# Altium PCB PCB.PcbDoc (continued)
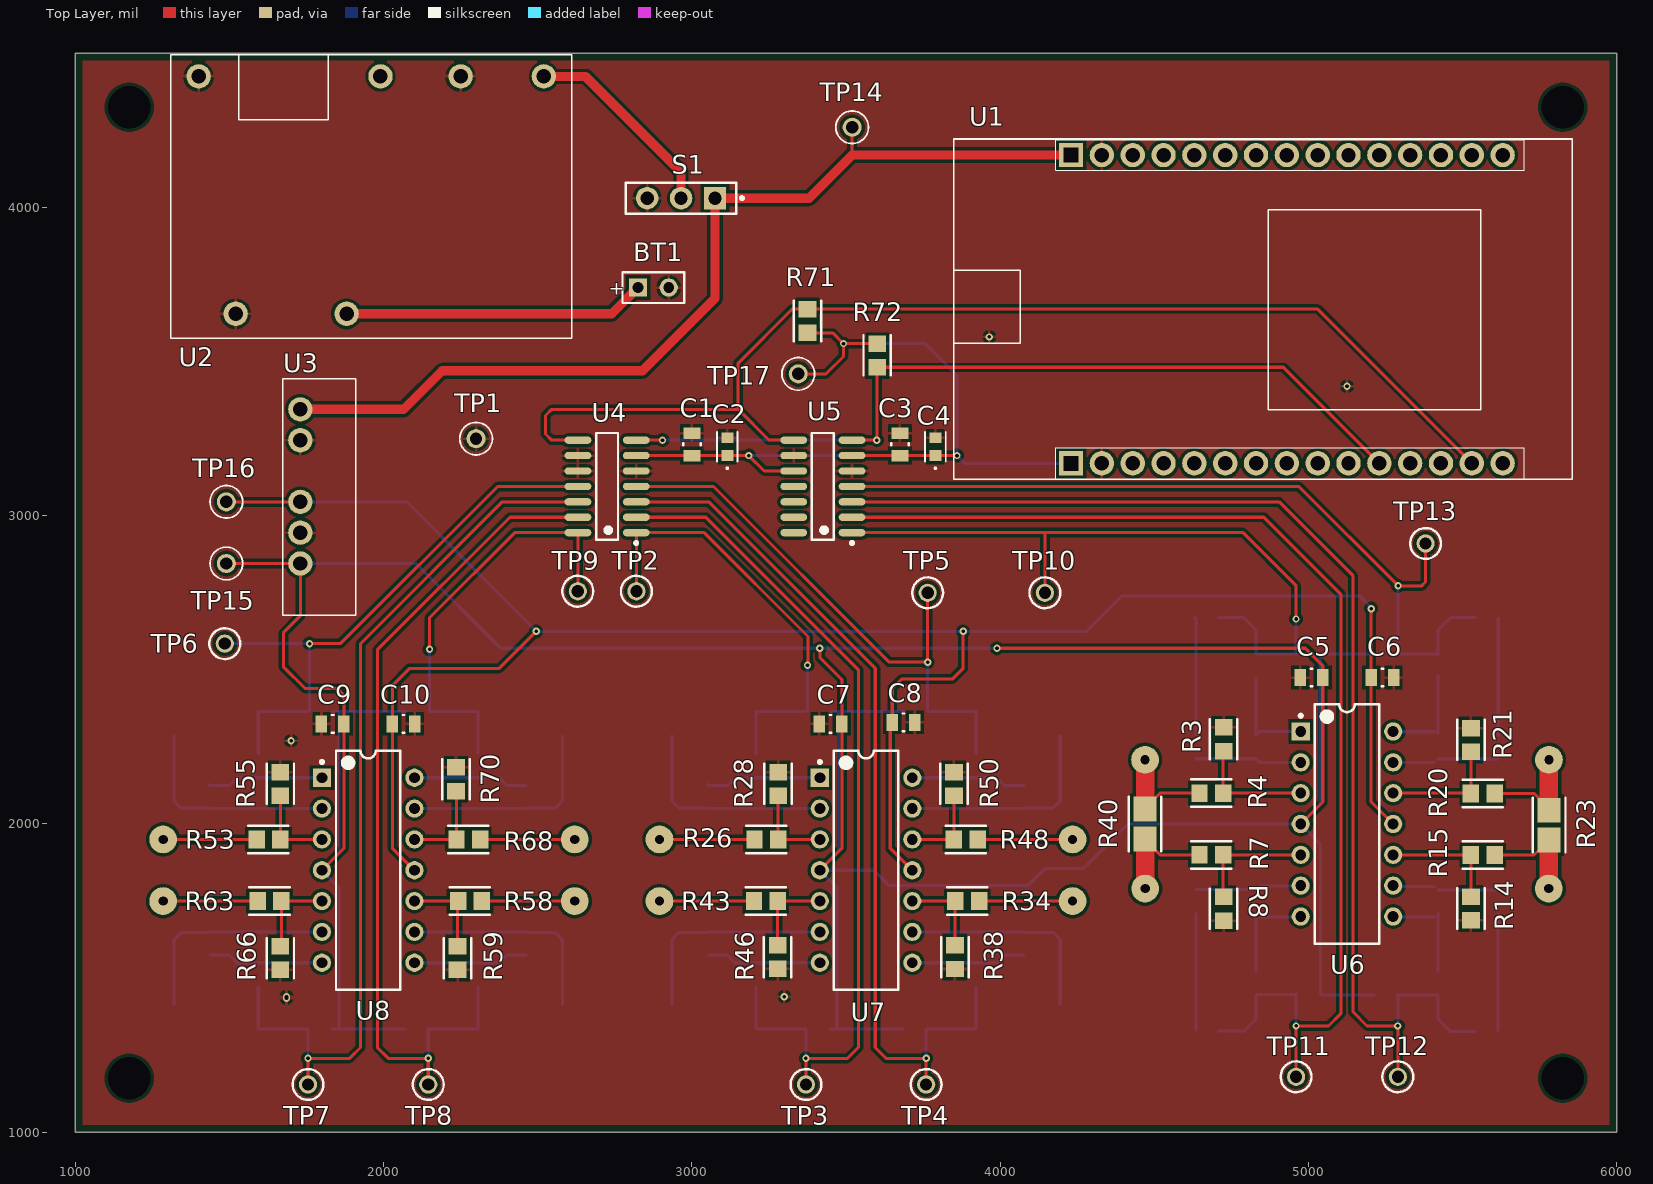
[diagram p0: Top Layer view]
## Part data (continued)
  R32: ComponentLink2Description=https://www.seielect.com/catalog/sei-rmcf_rmcp.pdf?src-supplier=Digikey, ComponentLink2URL=https://www.seielect.com/catalog/sei-rmcf_rmcp.pdf?src-supplier=Digikey, ComponentLink4Description=https://datasheet.octopart.com/RMCF0805FT8K45-Stackpole-Electronics-datasheet-141193804.pdf?src-supplier=Future+Electronics, ComponentLink4URL=https://datasheet.octopart.com/RMCF0805FT8K45-Stackpole-Electronics-datasheet-141193804.pdf?src-supplier=Future+Electronics
R23 R40: library part Res1, "Fixed Resistor, Metal Glaze/thick Film, 1W, 0.05ohm, 1% +/-Tol, 75ppm/Cel, Surface Mount, 1206", Case/Package=1206, Manufacturer=Panasonic, Manufacturer Part Number=ERJ-8CWFR050V, Manufacturer Series=ERJ8CW, Max Operating Temperature=125°C, Min Operating Temperature=-55°C, Package Shape=Rectangular, Power=1W, Rated Temperature=70°C, Resistor Type="FIXED RESISTOR", Supplier Part Number 1=667-ERJ-8CWFR050V, Temperature Coefficient (ppm/Cel)=75, Tolerance=1%, Category="Chip SMD Resistors", ComponentLink1Description=https://datasheet.ciiva.com:443/pdfs/VipMasterIC/IC/OMIT/OMIT-S-A0004284475/OMIT-S-A0004284475-1.pdf?src-supplier=IHS+Markit, ComponentLink1URL=https://datasheet.ciiva.com:443/pdfs/VipMasterIC/IC/OMIT/OMIT-S-A0004284475/OMIT-S-A0004284475-1.pdf?src-supplier=IHS+Markit, ComponentLink2Description=https://datasheet.ciiva.com/11805/0900766b8003123a-11805433.pdf?src-supplier=Rs, ComponentLink2URL=https://datasheet.ciiva.com/11805/0900766b8003123a-11805433.pdf?src-supplier=Rs, ComponentLink3Description=https://datasheet.ciiva.com:443/pdfs/VipMasterIC/IC/PANA/PANA-S-A0002276294/PANA-S-A0002276294-1.pdf?src-supplier=IHS+Markit, ComponentLink3URL=https://datasheet.ciiva.com:443/pdfs/VipMasterIC/IC/PANA/PANA-S-A0002276294/PANA-S-A0002276294-1.pdf?src-supplier=IHS+Markit, ComponentLink4Description=https://datasheet.ciiva.com/25631/0900766b81107548-25631070.pdf?src-supplier=Rs, ComponentLink4URL=https://datasheet.ciiva.com/25631/0900766b81107548-25631070.pdf?src-supplier=Rs, JESD-609 Code=e3, Mounting Technology="Surface Mount", Packaging="Tape and Reel", Pins=2, Pricing 1="1=0.42, 10=0.185, 50=0.185, 100=0.131, 1000=0.119, 5000=0.098, 10000=0.088, 25000=0.083, 50000=0.08 (USD)", Reach SVHC Compliant=Yes, Reference Standard=AEC-Q200, RoHS=Yes, RoHS Compliant=Yes, Stock 1=53345, Supplier 1=Mouser, Technology="METAL GLAZE/THICK FILM", Terminal Finish=Tin, Termination=Wraparound
R24 R27 R41 R44 R51 R54 R61 R64 R71 R72: library part Res1, "Fixed Resistor, Metal Glaze/thick Film, 0.125W, 5110ohm, 150V, 1% +/-Tol, 100ppm/Cel, Surface Mount, 0805", Case/Package=0805, Manufacturer="Stackpole Electronics", Manufacturer Part Number=RMCF0805FT5K11, Max Operating Temperature=155°C, Min Operating Temperature=-55°C, Package Height=0.5mm, Package Length=2mm, Package Shape=Rectangular, Package Width=1.25mm, Power=125mW, Rated Temperature=70°C, Resistor Type="FIXED RESISTOR", Temperature Coefficient (ppm/Cel)=100, Tolerance=1%, Working Voltage=150V, Category="Chip SMD Resistors", ComponentLink1Description=https://datasheet.ciiva.com:443/pdfs/VipMasterIC/IC/SEIE/SEIE-S-A0009541969/SEIE-S-A0009541969-1.pdf?src-supplier=IHS+Markit, ComponentLink1URL=https://datasheet.ciiva.com:443/pdfs/VipMasterIC/IC/SEIE/SEIE-S-A0009541969/SEIE-S-A0009541969-1.pdf?src-supplier=IHS+Markit, ComponentLink2Description=https://datasheet.ciiva.com/15193/getdatasheetpartid-409010-15193607.pdf?src-supplier=Verical, ComponentLink2URL=https://datasheet.ciiva.com/15193/getdatasheetpartid-409010-15193607.pdf?src-supplier=Verical, Construction=Rectangular, JESD-609 Code=e3, LatestRevisionDate=17-Jul-2002, LatestRevisionNote="Re-released for DXP Platform.", Mounting Technology="Surface Mount", PackageDescription="Axial Device, Thru-Hole; 2 Leads; 0.3 in Pin Spacing", PackageReference=AXIAL-0.3, Packaging="Tape and Reel", Pins=2, Pricing 1="5000=0.00252, 10000=0.00248, 20000=0.00245, 30000=0.00241, 40000=0.00238 (USD)", Published=8-Jun-2000, Publisher="Altium Limited", Reach SVHC Compliant=Yes, Reference Standard=AEC-Q200, RoHS=Yes, RoHS Compliant=Yes, Supplier 1=Avnet, Supplier Part Number 1=RMCF0805FT5K11, Technology="METAL GLAZE/THICK FILM", Terminal Finish=Nickel, Termination=Wraparound
  R24 R27 R41 R44 R51 R54 R61 R64: Stock 1=240000
  R71 R72: Stock 1=255000
R25 R33 R42 R47 R52 R57 R62 R67: library part Res1, "Fixed Resistor, Metal Glaze/thick Film, 0.125W, 5490ohm, 150V, 1% +/-Tol, 100ppm/Cel, Surface Mount, 0805", Case/Package=0805, Manufacturer="Stackpole Electronics", Manufacturer Part Number=RMCF0805FT5K49, Max Operating Temperature=155°C, Min Operating Temperature=-55°C, Package Height=0.5mm, Package Length=2mm, Package Shape=Rectangular, Package Width=1.25mm, Power=125mW, Rated Temperature=70°C, Resistor Type="FIXED RESISTOR", Temperature Coefficient (ppm/Cel)=100, Tolerance=1%, Working Voltage=150V, Category="Chip SMD Resistors", ComponentLink1Description=https://datasheet.ciiva.com:443/pdfs/VipMasterIC/IC/SEIE/SEIE-S-A0009541969/SEIE-S-A0009541969-1.pdf?src-supplier=IHS+Markit, ComponentLink1URL=https://datasheet.ciiva.com:443/pdfs/VipMasterIC/IC/SEIE/SEIE-S-A0009541969/SEIE-S-A0009541969-1.pdf?src-supplier=IHS+Markit, ComponentLink2Description=https://www.seielect.com/catalog/sei-rmcf_rmcp.pdf?src-supplier=Digikey, ComponentLink2URL=https://www.seielect.com/catalog/sei-rmcf_rmcp.pdf?src-supplier=Digikey, ComponentLink3Description=https://www.seielect.com/catalog/SEI-RMCF_RMCP.pdf?src-supplier=Avnet, ComponentLink3URL=https://www.seielect.com/catalog/SEI-RMCF_RMCP.pdf?src-supplier=Avnet, Construction=Rectangular, JESD-609 Code=e3, LatestRevisionDate=17-Jul-2002, LatestRevisionNote="Re-released for DXP Platform.", Mounting Technology="Surface Mount", PackageDescription="Axial Device, Thru-Hole; 2 Leads; 0.3 in Pin Spacing", PackageReference=AXIAL-0.3, Packaging="Tape and Reel", Pins=2, Pricing 1="5000=0.00252, 10000=0.00248, 20000=0.00245, 30000=0.00241, 40000=0.00238 (USD)", Published=8-Jun-2000, Publisher="Altium Limited", Reach SVHC Compliant=Yes, Reference Standard=AEC-Q200, RoHS=Yes, RoHS Compliant=Yes, Stock 1=50000, Supplier 1=Avnet, Supplier Part Number 1=RMCF0805FT5K49, Technology="METAL GLAZE/THICK FILM", Terminal Finish=Nickel, Termination=Wraparound
R29 R39 R45 R49 R56 R60 R65 R69: library part Res1, "Fixed Resistor, Metal Glaze/thick Film, 0.125W, 1910ohm, 150V, 1% +/-Tol, 100ppm/Cel, Surface Mount, 0805", Case/Package=0805, Manufacturer="Stackpole Electronics", Manufacturer Part Number=RMCF0805FT1K91, Max Operating Temperature=155°C, Min Operating Temperature=-55°C, Package Height=0.5mm, Package Length=2mm, Package Shape=Rectangular, Package Width=1.25mm, Power=125mW, Rated Temperature=70°C, Resistor Type="FIXED RESISTOR", Temperature Coefficient (ppm/Cel)=100, Tolerance=1%, Working Voltage=150V, Category="Chip SMD Resistors", ComponentLink1Description=https://datasheet.ciiva.com:443/pdfs/VipMasterIC/IC/SEIE/SEIE-S-A0009541969/SEIE-S-A0009541969-1.pdf?src-supplier=IHS+Markit, ComponentLink1URL=https://datasheet.ciiva.com:443/pdfs/VipMasterIC/IC/SEIE/SEIE-S-A0009541969/SEIE-S-A0009541969-1.pdf?src-supplier=IHS+Markit, ComponentLink2Description=https://www.seielect.com/catalog/sei-rmcf_rmcp.pdf?src-supplier=Digikey, ComponentLink2URL=https://www.seielect.com/catalog/sei-rmcf_rmcp.pdf?src-supplier=Digikey, ComponentLink3Description=https://www.seielect.com/catalog/SEI-Packaging.pdf?src-supplier=Digikey, ComponentLink3URL=https://www.seielect.com/catalog/SEI-Packaging.pdf?src-supplier=Digikey, ComponentLink4Description=http://www.seielect.com/Catalog/SEI-RMCF_RMCP.pdf?src-supplier=Digikey, ComponentLink4URL=http://www.seielect.com/Catalog/SEI-RMCF_RMCP.pdf?src-supplier=Digikey, ComponentLink5Description=https://www.seielect.com/catalog/SEI-RMCF_RMCP.pdf?src-supplier=Avnet, ComponentLink5URL=https://www.seielect.com/catalog/SEI-RMCF_RMCP.pdf?src-supplier=Avnet, Construction=Rectangular, JESD-609 Code=e3, LatestRevisionDate=17-Jul-2002, LatestRevisionNote="Re-released for DXP Platform.", Mounting Technology="Surface Mount", PackageDescription="Axial Device, Thru-Hole; 2 Leads; 0.3 in Pin Spacing", PackageReference=AXIAL-0.3, Packaging="Tape and Reel", Pins=2, Pricing 1="5000=0.00252, 10000=0.00248, 20000=0.00245, 30000=0.00241, 40000=0.00238 (USD)", Published=8-Jun-2000, Publisher="Altium Limited", Reach SVHC Compliant=Yes, Reference Standard=AEC-Q200, RoHS=Yes, RoHS Compliant=Yes, Stock 1=175000, Supplier 1=Avnet, Supplier Part Number 1=RMCF0805FT1K91, Technology="METAL GLAZE/THICK FILM", Terminal Finish=Nickel, Termination=Wraparound
R73 R76 R77 R80 R81 R84 R85 R88: library part Res1, "Fixed Resistor, Metal Glaze/thick Film, 0.125W, 18200ohm, 150V, 1% +/-Tol, 100ppm/Cel, Surface Mount, 0805", Case/Package=0805, Manufacturer="Stackpole Electronics", Manufacturer Part Number=RMCF0805FT18K2, Max Operating Temperature=155°C, Min Operating Temperature=-55°C, Package Height=0.5mm, Package Length=2mm, Package Shape=Rectangular, Package Width=1.25mm, Power=125mW, Rated Temperature=70°C, Resistor Type="FIXED RESISTOR", Temperature Coefficient (ppm/Cel)=100, Tolerance=1%, Working Voltage=150V, Category="Chip SMD Resistors", ComponentLink1Description=https://datasheet.ciiva.com:443/pdfs/VipMasterIC/IC/SEIE/SEIE-S-A0009541969/SEIE-S-A0009541969-1.pdf?src-supplier=IHS+Markit, ComponentLink1URL=https://datasheet.ciiva.com:443/pdfs/VipMasterIC/IC/SEIE/SEIE-S-A0009541969/SEIE-S-A0009541969-1.pdf?src-supplier=IHS+Markit, ComponentLink2Description=http://components.arrow.com/part/dataview/40964083S7077184N1174?src-supplier=Arrow+Electronics, ComponentLink2URL=http://components.arrow.com/part/dataview/40964083S7077184N1174?src-supplier=Arrow+Electronics, ComponentLink3Description=https://www.seielect.com/catalog/SEI-RMCF_RMCP.pdf?src-supplier=Avnet, ComponentLink3URL=https://www.seielect.com/catalog/SEI-RMCF_RMCP.pdf?src-supplier=Avnet, ComponentLink4Description=https://www.seielect.com/catalog/sei-rmcf_rmcp.pdf?src-supplier=Digikey, ComponentLink4URL=https://www.seielect.com/catalog/sei-rmcf_rmcp.pdf?src-supplier=Digikey, Construction=Rectangular, JESD-609 Code=e3, LatestRevisionDate=17-Jul-2002, LatestRevisionNote="Re-released for DXP Platform.", Mounting Technology="Surface Mount", PackageDescription="Axial Device, Thru-Hole; 2 Leads; 0.3 in Pin Spacing", PackageReference=AXIAL-0.3, Packaging="Tape and Reel", Pins=2, Pricing 1="5000=0.00252, 10000=0.00248, 20000=0.00245, 30000=0.00241, 40000=0.00238 (USD)", Published=8-Jun-2000, Publisher="Altium Limited", Reach SVHC Compliant=Yes, Reference Standard=AEC-Q200, RoHS=Yes, RoHS Compliant=Yes, Stock 1=90000, Supplier 1=Avnet, Supplier Part Number 1=RMCF0805FT18K2, Technology="METAL GLAZE/THICK FILM", Terminal Finish=Nickel, Termination=Wraparound
R74 R75 R78 R79 R82 R83 R86 R87: library part Res1, "Fixed Resistor, Metal Glaze/thick Film, 0.125W, 7150ohm, 150V, 1% +/-Tol, 100ppm/Cel, Surface Mount, 0805", Case/Package=0805, Manufacturer="Stackpole Electronics", Manufacturer Part Number=RMCF0805FT7K15, Max Operating Temperature=155°C, Min Operating Temperature=-55°C, Package Height=0.5mm, Package Length=2mm, Package Shape=Rectangular, Package Width=1.25mm, Power=125mW, Rated Temperature=70°C, Resistor Type="FIXED RESISTOR", Temperature Coefficient (ppm/Cel)=100, Tolerance=1%, Working Voltage=150V, Category="Chip SMD Resistors", ComponentLink1Description=https://datasheet.ciiva.com:443/pdfs/VipMasterIC/IC/SEIE/SEIE-S-A0009541969/SEIE-S-A0009541969-1.pdf?src-supplier=IHS+Markit, ComponentLink1URL=https://datasheet.ciiva.com:443/pdfs/VipMasterIC/IC/SEIE/SEIE-S-A0009541969/SEIE-S-A0009541969-1.pdf?src-supplier=IHS+Markit, ComponentLink2Description=http://components.arrow.com/part/dataview/44987969S7384101N1174?src-supplier=Arrow+Electronics, ComponentLink2URL=http://components.arrow.com/part/dataview/44987969S7384101N1174?src-supplier=Arrow+Electronics, ComponentLink3Description=https://www.seielect.com/catalog/sei-rmcf_rmcp.pdf?src-supplier=Digikey, ComponentLink3URL=https://www.seielect.com/catalog/sei-rmcf_rmcp.pdf?src-supplier=Digikey, ComponentLink4Description=https://www.seielect.com/catalog/SEI-Packaging.pdf?src-supplier=Digikey, ComponentLink4URL=https://www.seielect.com/catalog/SEI-Packaging.pdf?src-supplier=Digikey, ComponentLink5Description=https://www.seielect.com/catalog/SEI-RMCF_RMCP.pdf?src-supplier=Avnet, ComponentLink5URL=https://www.seielect.com/catalog/SEI-RMCF_RMCP.pdf?src-supplier=Avnet, Construction=Rectangular, JESD-609 Code=e3, LatestRevisionDate=17-Jul-2002, LatestRevisionNote="Re-released for DXP Platform.", Mounting Technology="Surface Mount", PackageDescription="Axial Device, Thru-Hole; 2 Leads; 0.3 in Pin Spacing", PackageReference=AXIAL-0.3, Packaging="Tape and Reel", Pins=2, Pricing 1="5000=0.00252, 10000=0.00248, 20000=0.00245, 30000=0.00241, 40000=0.00238 (USD)", Published=8-Jun-2000, Publisher="Altium Limited", Reach SVHC Compliant=Yes, Reference Standard=AEC-Q200, RoHS=Yes, RoHS Compliant=Yes, Stock 1=65000, Supplier 1=Avnet, Supplier Part Number 1=RMCF0805FT7K15, Technology="METAL GLAZE/THICK FILM", Terminal Finish=Nickel, Termination=Wraparound
S1: library part SW, "Single-Pole, Single-Throw Rocket LED Switch", Manufacturer=Amazon(Nilight), Manufacturer Part Number=B07T1JG6BD
TP1: library part TP, "Black Test Point", Color=Black, Manufacturer=Keystone, Manufacturer P/N=5001, Supplier Part Number 1=534-5001, Category=Connectors, ComponentLink1Description=https://datasheet.ciiva.com:443/pdfs/VipMasterIC/IC/KEYC/KEYCS01036/KEYCS02044-1.pdf?src-supplier=IHS+Markit, ComponentLink1URL=https://datasheet.ciiva.com:443/pdfs/VipMasterIC/IC/KEYC/KEYCS01036/KEYCS02044-1.pdf?src-supplier=IHS+Markit, ComponentLink2Description=https://datasheet.ciiva.com/11836/0900766b8009b7c7-11836045.pdf?src-supplier=Rs, ComponentLink2URL=https://datasheet.ciiva.com/11836/0900766b8009b7c7-11836045.pdf?src-supplier=Rs, ComponentLink3Description=https://datasheet.ciiva.com/27052/1581986-27052611.pdf?src-supplier=Jameco, ComponentLink3URL=https://datasheet.ciiva.com/27052/1581986-27052611.pdf?src-supplier=Jameco, ComponentLink4Description=https://datasheet.ciiva.com/22631/1703983-22631100.pdf?src-supplier=Element14, ComponentLink4URL=https://datasheet.ciiva.com/22631/1703983-22631100.pdf?src-supplier=Element14, ComponentLink5Description=https://datasheet.ciiva.com/16318/m60-2p60-16318423.pdf?src-supplier=Future+Electronics, ComponentLink5URL=https://datasheet.ciiva.com/16318/m60-2p60-16318423.pdf?src-supplier=Future+Electronics, Connector Type="Interconnection Device", Contact Finish - Termination="Silver (Ag)", JESD-609 Code=e4, Manufacturer Part Number=5001, Pricing 1="1=0.29, 10=0.29, 25=0.262, 50=0.262, 100=0.222, 500=0.184, 1000=0.173, 2500=0.154, 5000=0.143, 10000=0.143 (USD)", Reach SVHC Compliant=Yes, RoHS=Yes, RoHS Compliant=Yes, Stock 1=345950, Supplier 1=Mouser
TP2 TP3 TP4 TP5 TP6 TP7 TP8 TP9 TP10 TP11 TP12 TP13: library part TP, "Orange Test Point", Color=Orange, Manufacturer=Keystone, Manufacturer P/N=5013, Manufacturer Part Number=5003, Supplier Part Number 1=534-5003, Category=Connectors, ComponentLink1Description=https://datasheet.ciiva.com:443/pdfs/VipMasterIC/IC/KEYC/KEYCS01036/KEYCS02044-1.pdf?src-supplier=IHS+Markit, ComponentLink1URL=https://datasheet.ciiva.com:443/pdfs/VipMasterIC/IC/KEYC/KEYCS01036/KEYCS02044-1.pdf?src-supplier=IHS+Markit, ComponentLink2Description=https://datasheet.ciiva.com/22631/1703983-22631103.pdf?src-supplier=Element14, ComponentLink2URL=https://datasheet.ciiva.com/22631/1703983-22631103.pdf?src-supplier=Element14, ComponentLink3Description=https://datasheet.ciiva.com/4598/5000-5004-4598618.pdf?src-supplier=Mouser, ComponentLink3URL=https://datasheet.ciiva.com/4598/5000-5004-4598618.pdf?src-supplier=Mouser, ComponentLink4Description=https://datasheet.ciiva.com/16885/70182825-16885788.pdf?src-supplier=Allied+Electronics, ComponentLink4URL=https://datasheet.ciiva.com/16885/70182825-16885788.pdf?src-supplier=Allied+Electronics, ComponentLink5Description=https://datasheet.ciiva.com/1454/1703983-1454826.pdf?src-supplier=Element14, ComponentLink5URL=https://datasheet.ciiva.com/1454/1703983-1454826.pdf?src-supplier=Element14, Connector Type="Interconnection Device", Contact Finish - Termination="Silver (Ag)", JESD-609 Code=e4, Pricing 1="1=0.29, 10=0.29, 50=0.262, 100=0.222, 1000=0.173, 10000=0.143 (USD)", Reach SVHC Compliant=Yes, RoHS=Yes, RoHS Compliant=Yes, Stock 1=79700, Supplier 1=Mouser
TP14 TP15 TP16 TP17: library part TP, "Red Test Point", Color=Red, Manufacturer=Keystone, Manufacturer Part Number=5000, Supplier Part Number 1=534-5000, Category=Connectors, ComponentLink1Description=https://datasheet.ciiva.com:443/pdfs/VipMasterIC/IC/KEYC/KEYCS01036/KEYCS02044-1.pdf?src-supplier=IHS+Markit, ComponentLink1URL=https://datasheet.ciiva.com:443/pdfs/VipMasterIC/IC/KEYC/KEYCS01036/KEYCS02044-1.pdf?src-supplier=IHS+Markit, ComponentLink2Description=https://datasheet.ciiva.com/11836/0900766b8009b7c7-11836046.pdf?src-supplier=Rs, ComponentLink2URL=https://datasheet.ciiva.com/11836/0900766b8009b7c7-11836046.pdf?src-supplier=Rs, Connector Type="Interconnection Device", Contact Finish - Termination="Silver (Ag)", JESD-609 Code=e4, Pricing 1="1=0.29, 10=0.29, 50=0.262, 100=0.222, 1000=0.173, 10000=0.143 (USD)", Reach SVHC Compliant=Yes, RoHS=Yes, RoHS Compliant=Yes, Stock 1=320297, Supplier 1=Mouser
U1: "ESP-WROOM-32 ESP32 ESP-32S Development Board 2.4GHz Dual-Mode WiFi + Bluetooth Dual Cores Microcontroller Processor Integrated with Antenna RF AMP Filter AP STA", Manufacturer=Amazon(AITRIP), Manufacturer Part Number=B08D5ZD528
U2: library part Booster/Charger, "Lithium Battery Fast Charging Boost Mobile Power Protection PCB Board", Manufacturer=Amazon(AEDIKO), Manufacturer Part Number=B09X9VMGV4
U3: library part NMA0505SC, "DC DC CONVERTER +/-5V 1W", Manufacturer=Murata, Manufacturer Part Number=NMA0505SC
U4 U5: library part CMP-0188-01159-1, "16-Bit, Multi-Channel Delta-Sigma Analog-to-Digital Converter with I2C Interface and On-Board Reference, 14-Pin SOIC 150mil, Extended Temperature", Manufacturer="Microchip Tech", Manufacturer Part Number=MCP3428-E/SL, Code_IPC=SOIC127P600-14, Code_JEDEC=MS-012-AB, ComponentLink1Description="Manufacturer URL", ComponentLink1URL=http://www.microchip.com/, ComponentLink2Description=Datasheet, ComponentLink2URL=http://ww1.microchip.com/downloads/en/DeviceDoc/22226a.pdf, ComponentLink3Description="Package Specification", ComponentLink3URL=http://www.microchip.com/stellent/groups/techpub_sg/documents/packagingspec/en012702.pdf, DatasheetVersion="revA, Dec-2009", PackageDescription="14-Lead Plastic Small Outline (SL) - Narrow, 3.90mm Body [SOIC]", PackageReference=SOIC-SL14, PackageVersion="revBB, Aug-2009"
  U4: Address=000
  U5: Address=010
U6 U7 U8: library part CMP-0055-00082-3, "Low Power Quad Operational Amplifier, 14-pin MDIP", Manufacturer="Texas Instruments", Manufacturer Part Number=LM324N, Package Reference=N0014A, PackageTopMarking=NSUZXYYTTE#*LM324N, PowerWise=N, Code_JEDEC=MS-001-AA, ComponentLink1Description="Datasheet URL", ComponentLink1URL=http://www.ti.com/general/docs/lit/getliterature.tsp?genericPartNumber=LM324&fileType=pdf, CompType=Amplifiers, PackageDescription="MDIP, .750 x .250 x.130in, 14 Lead, .100in Pitch", PinCount=14, RoHS=N

## Free pads (board coordinates)
  round 90 hole 30: 28(1285,1750) 28(1285,1950) 28(2620,1750) 28(2620,1950) 28(2895,1750) 28(2895,1950) 28(4235,1750) 28(4235,1950) 28(4470,2208.25) 28(4470.41,1790.55) 28(5779.59,1790.55) 28(5780,2208.25)
  round 0 hole 138 unplated: 29(1175,1175) 29(1175,4325) 29(5825,1175) 29(5825,4325)

## Via types
v1: diameter 23.62/23.62 (per signal layer), hole 11.81, Top Layer to Bottom Layer, 28 vias

## Nets (pads, with @x,y where several pads share a name; then routed paths per layer and width w, separated by ;. In a path a pad name is that pad's centre, name@x,y a point inside that pad or via, vN(x,y) a via of type N, cw(c..) or ccw(c..) an arc to the next point about the centre after c; other vN are vias at no path point)
+3.3: C1.1 C2.1 C3.1 C4.1 R71.2 R72.2 TP17.1 U1.3.3V U4.6 U5.6 U5.10 | length 3063.1
  Top Layer w10: U4.6 C1.1 C2.1 v1(3185,3195) 3235,3145 U5.10 ; TP17.1 3435,3460 3491.67,3516.67 v1(3491.67,3558.33) ; R71.2@3363.09,3593.17 3456.83,3593.17 v1(3491.67,3558.33) ; U5.6 C3.1 C4.1 v1(3860,3195) ; R72.2 v1(3491.67,3558.33)
  Bottom Layer w10: v1(3185,3195) v1(3860,3195) ; v1(3491.67,3558.33) 3756.67,3558.33 3860,3455 v1(3860,3195) ; U1.3.3V 3885,3170 v1(3860,3195)
+5V1: C5.1 C7.1 C9.1 C12.2 R10.2 R17.2 R24.2 R27.2 R30.2 R35.2 R41.2 R44.2 R51.2 R54.2 R61.2 R64.2 TP15.1 U3.+Vout U6.4 U7.4 U8.4 | length 12471.9
  Top Layer w10: TP15.1 U3.+Vout 1730,2675 1675,2620 1675,2510 1745,2440 1850,2440 1871.42,2418.58 C9.1 1871.42,1921.42 U8.4 ; U7.4 3486.42,1921.42 C7.1 3486.42,2468.58 3415,2540 v1(3415,2570) ; v1(3990,2570) 4990,2570 5046.42,2513.58 5046.42,2071.42 U6.4
  Bottom Layer w10: U3.+Vout C12.2 2105,2845 2380,2570 v1(3415,2570) v1(3990,2570) ; U8.4@1799.15,1849.15 1855,1793.3 R61.2@1855,1335 ; U8.4 1855,1905 R51.2@1855,2365 ; R61.2 R61.2@1855,1335 ; R51.2 R51.2@1855,2365 ; R54.2 R61.2@1855,1335 ; R64.2 R51.2@1855,2365 ; R41.2 R41.2@3470,1335 ; R24.2 R44.2 ; R24.2@3475,2363.88 3475,1910 U7.4 ; R27.2 R41.2@3470,1335 ; U6.4@4975.18,1998.21 5038.6,1934.8 R35.2 5041.2,1445.62 R10.2 ; R17.2 5039.48,2551.07 R30.2 5038.42,2063.42 U6.4 4415,2000 4270,1855 4145,1855 4090,1800 3640,1800 3590,1850 U7.4 ; U7.4 3470,1795 R41.2@3470,1335
+5V2: S1.Out TP14.1 U1.Vin U3.+Vin | length 3122.1
  Top Layer w10: 3520,4170 TP14.1
  Top Layer w30: U3.+Vin 2065,3345 2190,3470 2840,3470 3075,3705 S1.Out 3380,4030 3519.99,4169.99 U1.Vin
-5V1: C6.1 C8.1 C10.1 C11.2 TP16.1 U3.-Vout U6.11 U7.11 U8.11 | length 6841.3
  Top Layer w10: TP16.1 U3.-Vout ; U8.11 2028.58,1921.42 C10.1 2028.58,2448.58 2085,2505 2375,2505 v1(2495,2625) ; C8.1@3643.58,2325 3643.58,1921.42 U7.11 ; C8.1 3650,2440 3680,2470 3845,2470 3880,2505 v1(3880,2625) ; v1(5203.58,2698.58) C6.1 5203.58,2071.42 U6.11
  Bottom Layer w10: U3.-Vout C11.2 2075,3045 v1(2495,2625) v1(3880,2625) 4280,2625 4395,2740 5165,2740 5203.58,2701.42 v1(5203.58,2698.58)
GND: BT1.2 C1.2 C2.2 C3.2 C4.2 C5.2 C6.2 C7.2 C8.2 C9.2 C10.2 C11.1 C12.1 R3.2 R5.1 R8.2 R9.1 R12.1 R14.2 R16.1 R19.1 R21.2 R22.1 R28.2 R29.1 R32.1 R37.1 R38.2 R39.1 R45.1 R46.2 R49.1 R50.2 R55.2 R56.1 R59.2 R60.1 R65.1 R66.2 R69.1 R70.2 R74.1 R75.1 R78.1 R79.1 R82.1 R83.1 R86.1 R87.1 S1.GND TP1.1 U1.GND U2.-Bat U2.-Vin U2.-Vout U3.0 U3.-Vin U4.5 U4.9 U4.10 U5.5 U5.9 | length 1522.2
  Bottom Layer w10: R32.1 4635,2666.58 4635,2445 R5.1 ; R37.1 4635.18,1553.21 ; 4635.52,1553.54 R9.1 ; R5.1@4636.71,2290.12 R5.1@4640,2286.83 ; 5615.09,1552.77 R16.1 ; R12.1@5615.43,1330.86 5615.43,1552.45 ; R22.1 5615.61,2444.23 R19.1@5615.61,2665.82
  other v1: 1685,1435 1685,1440 3300,1440 1700,2270 5125,3420 3965,3580
NetBT1_1: BT1.1 U2.+Bat | length 980.2
  Top Layer w30: U2.+Bat 2740,3655 BT1.1
NetR1_1: R1.1 R31.2 U6.1 | length 336.4
  Bottom Layer w10: R31.2 R1.1 4841.58,2300 U6.1
NetR1_2: R1.2 R5.2 U6.2 | length 344.8
  Bottom Layer w10: R5.2 R1.2 4841.58,2200 U6.2
NetR2_1: R2.1 R36.2 U6.7 | length 320
  Bottom Layer w10: R36.2 R2.1@4830.18,1709.8 ; R2.1@4842.11,1698.54 U6.7@4975.52,1698.54
NetR2_2: R2.2 R9.2 U6.6 | length 328.4
  Bottom Layer w10: R9.2 R2.2 ; R2.2@4842.11,1798.54 U6.6@4975.52,1798.54
NetR3_1: R3.1 R4.2 U6.3 | length 388.8
  Top Layer w10: R3.1 4723.42,2235 R4.2 U6.3
NetR4_1: pad.28@4470,2208.25 R4.1 R40.1 | length 356.8
  Top Layer w10: R40.1 4470,2051.18 4518.82,2100 R4.1
  Top Layer w60: R40.1@4470,2051.18 pad.28@4470,2208.25
NetR6_1: R6.1 R11.2 U6.8 | length 320
  Bottom Layer w10: U6.8@5275.09,1697.77 R6.1@5408.5,1697.77 ; R11.2 R6.1@5420.43,1709.03
NetR6_2: R6.2 R16.2 U6.9 | length 328.4
  Bottom Layer w10: U6.9@5275.09,1797.77 R6.2@5408.5,1797.77 ; R6.2 R16.2
NetR7_1: pad.28@4470.41,1790.55 R7.1 R40.2 | length 357.6
  Top Layer w10: R40.2 4470.41,1951.34 4470.41,1948.41 4518.82,1900 R7.1
  Top Layer w60: pad.28@4470.41,1790.55 R40.2@4470.41,1948.41
NetR7_2: R7.2 R8.1 U6.5 | length 388.8
  Top Layer w10: R8.1 4723.42,1765 R7.2 U6.5
NetR10_1: R10.1 R11.1 R12.2 TP12.1 U5.3 | length 3915.5
  Top Layer w10: U5.3 4905,3045 5145,2805 5145,1390 5190,1345 v1(5290,1345) 5290,1260 TP12.1
  Bottom Layer w10: v1(5290,1345) 5290,1444.94 R10.1 R11.1 5420.43,1367.45 5460.43,1327.45 R12.2
NetR13_1: R13.1 R18.2 U6.14 | length 320
  Bottom Layer w10: U6.14@5275.61,2299.23 R13.1@5409.02,2299.23 ; R13.1@5420,2293.42 R18.2
NetR13_2: R13.2 R22.2 U6.13 | length 328.4
  Bottom Layer w10: U6.13@5275.61,2199.23 R13.2@5409.02,2199.23 ; R13.2 R22.2
NetR14_1: R14.1 R15.2 U6.10 | length 386.6
  Top Layer w10: U6.10 R15.2@5526.58,1900 ; R14.1 R15.2
NetR15_1: pad.28@5779.59,1790.55 R15.1 R23.1 | length 354.7
  Top Layer w10: R15.1 5731.79,1899.23 R23.1
  Top Layer w60: pad.28@5779.59,1790.55 R23.1@5779.59,1948.41
NetR17_1: R17.1 R18.1 R19.2 TP13.1 U5.4 | length 2691.8
  Top Layer w10: U5.4 4968.51,3095 v1(5290.86,2772.65) 5367.65,2772.65 5380,2785 TP13.1
  Bottom Layer w10: v1(5290.86,2772.65) R17.1 5420.61,2551.07 5420.61,2629.23 5460.61,2669.23 R19.2
NetR20_1: pad.28@5780,2208.25 R20.1 R23.2 | length 353.9
  Top Layer w10: R20.1 5731.79,2099.23 R23.2@5780.61,2050.42
  Top Layer w60: R23.2@5780,2051.18 pad.28@5780,2208.25
NetR20_2: R20.2 R21.1 U6.12 | length 386.6
  Top Layer w10: U6.12 R20.2@5526.58,2100 ; R20.2 R21.1
NetR24_1: R24.1 R25.2 R29.2 TP2.1 U4.1 | length 1427.6
  Top Layer w10: TP2.1 2820,2944.49 U4.1 3040,2945 3376.58,2608.42 3376.58,2516.58 v1(3375,2515)
  Bottom Layer w10: R25.2 3208.42,2228.42 R29.2 R24.1@3365.79,2365 ; v1(3375,2515) 3375,2366.58 R24.1
NetR25_1: R25.1 R88.1 U7.1 | length 376.8
  Bottom Layer w10: R88.1 3053.42,2125 3115,2125 3140,2150 R25.1 U7.1
NetR25_2: 
NetR26_1: pad.28@2895,1950 R26.1 | length 303.2
  Top Layer w10: pad.28@2895,1950 R26.1@3198.17,1950
NetR26_2: R26.2 R28.1 U7.3 | length 276.6
  Top Layer w10: R28.1 R26.2 U7.3
NetR27_1: R27.1 R33.2 R39.2 TP4.1 U4.3 | length 2880.9
  Top Layer w10: U4.3 3055,3045 3595,2505 3595,1275 3630,1240 v1(3760,1240) TP4.1
  Bottom Layer w10: v1(3760,1240) 3760,1333.42 R27.1 R39.2 ; R39.2@3921.58,1335 R33.2
NetR30_1: R30.1 R31.1 R32.2 TP10.1 U5.1 | length 2279.2
  Top Layer w10: U5.1 4145,2945 ; TP10.1 4145,2945 ; v1(4960,2665) 4960,2773.17 4788.17,2945 4145,2945
  Bottom Layer w10: R32.2 4790,2670 4830,2630 R31.1 4959.75,2551.83 R30.1 4960,2551.58 v1(4960,2665)
NetR33_1: R33.1 R73.1 U7.8 | length 371.9
  Bottom Layer w10: U7.8 3841.58,1550 3920,1550 3990,1550 4015,1575 R73.1
NetR33_2: 
NetR34_1: pad.28@4235,1750 R34.1 | length 303.2
  Top Layer w10: R34.1 pad.28@4235,1750
NetR34_2: R34.2 R38.1 U7.10 | length 284.1
  Top Layer w10: U7.10 R34.2 3853.42,1748.42 R38.1
NetR35_1: R35.1 R36.1 R37.2 TP11.1 U5.2 | length 3825.6
  Top Layer w10: U5.2 4855,2995 5105,2745 5105,1385 5065,1345 v1(4960,1345) 4960,1260 TP11.1
  Bottom Layer w10: R37.2@4708.6,1328.21 4790.18,1328.21 4830.18,1368.21 R36.1 R35.1@4959.93,1446.38 ; v1(4960,1345) 4960,1446.45 R35.1
NetR41_1: R41.1 R42.2 R45.2 TP3.1 U4.2 | length 2801.8
  Top Layer w10: U4.2@2825,2995 3045,2995 3540,2500 3540,1275 3505,1240 v1(3370,1240) TP3.1
  Bottom Layer w10: R45.2@3208.42,1335 R42.2 ; R45.2 3368.42,1335 3370,1333.42 v1(3370,1240)
NetR42_1: R42.1 R76.1 U7.7 | length 371.9
  Bottom Layer w10: R76.1 3115,1575 3140,1550 3210,1550 3288.42,1550 U7.7
NetR42_2: 
NetR43_1: pad.28@2895,1750 R43.1 | length 306.6
  Top Layer w10: pad.28@2895,1750 R43.1
NetR43_2: R43.2 R46.1 U7.5 | length 269.8
  Top Layer w10: R46.1 R43.2 ; R43.2@3288.42,1750 U7.5
NetR44_1: R44.1 R47.2 R49.2 TP5.1 U4.4 | length 1860.9
  Top Layer w10: U4.4 3070,3095 3640,2525 v1(3765,2525) TP5.1
  Bottom Layer w10: v1(3765,2525) 3765,2365.79 R44.1 R49.2 R47.2
NetR47_1: R47.1 R77.1 U7.14 | length 371.9
  Bottom Layer w10: U7.14 3920,2150 3990,2150 4015,2125 R77.1
NetR47_2: 
NetR48_1: pad.28@4235,1950 R48.1 | length 306.6
  Top Layer w10: R48.1@3928.42,1950 pad.28@4235,1950
NetR48_2: R48.2 R50.1 U7.12 | length 276.6
  Top Layer w10: U7.12 R48.2 R50.1
NetR51_1: R51.1 R52.2 R56.2 TP6.1 U4.11 | length 1874.4
  Top Layer w10: v1(1760,2585) 1860,2585 2370,3095 U4.11
  Bottom Layer w10: TP6.1 v1(1760,2585) 1760,2368.42 R51.1 ; R52.2 1593.42,2228.42 R56.2 R51.1@1750.79,2365
NetR52_1: R52.1 R80.1 U8.1 | length 376.8
  Bottom Layer w10: R80.1 1438.42,2125 1500,2125 1525,2150 R52.1 U8.1
NetR52_2: 
NetR53_1: pad.28@1285,1950 R53.1 | length 301.6
  Top Layer w10: pad.28@1285,1950 R53.1@1586.58,1950
NetR53_2: R53.2 R55.1 U8.3 | length 276.6
  Top Layer w10: R55.1 R53.2 U8.3
NetR54_1: R54.1 R57.2 R60.2 TP8.1 U4.13 | length 2770.4
  Top Layer w10: TP8.1 v1(2145,1240) 2015,1240 1980,1275 1980,2565 2410,2995 U4.13
  Bottom Layer w10: v1(2145,1240) 2145,1333.42 R54.1 R60.2 ; R60.2@2306.58,1335 R57.2
NetR57_1: R57.1 R81.1 U8.8 | length 371.9
  Bottom Layer w10: U8.8 2226.58,1550 2305,1550 2375,1550 2400,1575 R81.1
NetR57_2: 
NetR58_1: pad.28@2620,1750 R58.1 | length 301.6
  Top Layer w10: R58.1 pad.28@2620,1750
NetR58_2: R58.2 R59.1 U8.10 | length 286.6
  Top Layer w10: U8.10 R58.2 ; R59.1 R58.2@2240,1748.42
NetR61_1: R61.1 R62.2 R65.2 TP7.1 U4.12 | length 2862.8
  Top Layer w10: TP7.1 v1(1755,1240) 1890,1240 1925,1275 1925,2585 2385,3045 U4.12
  Bottom Layer w10: R65.2@1593.42,1335 R62.2 ; R65.2 1753.42,1335 1755,1333.42 v1(1755,1240)
NetR62_1: R62.1 R84.1 U8.7 | length 371.9
  Bottom Layer w10: R84.1 1500,1575 1525,1550 1595,1550 1673.42,1550 U8.7
NetR62_2: 
NetR63_1: pad.28@1285,1750 R63.1 | length 306.6
  Top Layer w10: pad.28@1285,1750 R63.1
NetR63_2: R63.2 R66.1 U8.5 | length 269.8
  Top Layer w10: R66.1@1668.42,1606.83 R63.2 ; R63.2@1673.42,1750 U8.5
NetR64_1: R64.1 R67.2 R69.2 TP9.1 U4.14 | length 1383.9
  Top Layer w10: v1(2149.21,2566.58) 2149.21,2669.21 2425,2945 U4.14 2630,2944.49 TP9.1
  Bottom Layer w10: v1(2149.21,2566.58) R64.1 R69.2 R67.2
NetR67_1: R67.1 R85.1 U8.14 | length 371.9
  Bottom Layer w10: U8.14 2305,2150 2375,2150 2400,2125 R85.1
NetR67_2: 
NetR68_1: pad.28@2620,1950 R68.1 | length 306.6
  Top Layer w10: R68.1 pad.28@2620,1950
NetR68_2: R68.2 R70.1 U8.12 | length 293.8
  Top Layer w10: U8.12 R68.2 2236.58,2105 R70.1
NetR71_1: R71.1 U1.GPIO22 U4.8 U5.8 | length 3840.7
  Top Layer w10: U4.8 2545,3245 2525,3265 2525,3325 2545,3345 3150,3345 ; U5.8 3250,3245 3150,3345 ; R71.1@3372.88,3670 5030,3670 U1.GPIO22 ; R71.1 3325,3670 3150,3495 3150,3345
NetR72_1: R72.1 U1.GPIO21 U4.7 U5.7 | length 2855.8
  Top Layer w10: U4.7 v1(2905,3245) ; U5.7 v1(3600,3245) 3601.22,3246.22 R72.1 4918.5,3481.5 U1.GPIO21
  Bottom Layer w10: v1(2905,3245) v1(3600,3245)
NetR73_2: R73.2 R75.2 U7.9 | length 698.1
  Bottom Layer w10: U7.9 R73.2@4078.42,1650 ; R73.2@4080,1648.42 4171.58,1648.42 4195,1625 R75.2
NetR74_2: R74.2 R88.2 U7.2 | length 700.4
  Bottom Layer w10: R74.2 2935,2075 2958.42,2051.58 R88.2 3051.58,2050 U7.2
NetR76_2: R76.2 R78.2 U7.6 | length 698.1
  Bottom Layer w10: R78.2 2935,1625 2958.42,1648.42 R76.2@3050,1648.42 ; R76.2@3051.58,1650 U7.6
NetR77_2: R77.2 R79.2 U7.13 | length 698.1
  Bottom Layer w10: U7.13 R77.2@4078.42,2050 ; R77.2@4080,2051.58 4171.58,2051.58 4195,2075 4195,2130 R79.2
NetR80_2: R80.2 R82.2 U8.2 | length 700.4
  Bottom Layer w10: R82.2 1320,2075 1343.42,2051.58 R80.2 1436.58,2050 U8.2
NetR81_2: R81.2 R83.2 U8.9 | length 698.1
  Bottom Layer w10: U8.9 R81.2@2463.42,1650 ; R81.2@2465,1648.42 2556.58,1648.42 2580,1625 R83.2
NetR84_2: R84.2 R86.2 U8.6 | length 698.1
  Bottom Layer w10: R86.2 1320,1625 1343.42,1648.42 R84.2@1435,1648.42 ; R84.2@1436.58,1650 U8.6
NetR85_2: R85.2 R87.2 U8.13 | length 698.1
  Bottom Layer w10: U8.13 R85.2@2463.42,2050 ; R85.2@2465,2051.58 2556.58,2051.58 2580,2075 2580,2130 R87.2
NetS1: S1.In U2.+Vout | length 670
  Top Layer w30: U2.+Vout@2508.41,4425 2655,4425 2965,4115 S1.In
pads on no net: U1.EN U1.GPIO2 U1.GPIO4 U1.GPIO5 U1.GPIO12 U1.GPIO13 U1.GPIO14 U1.GPIO15 U1.GPIO18 U1.GPIO19 U1.GPIO23 U1.GPIO25 U1.GPIO26 U1.GPIO27 U1.GPIO32 U1.GPIO33 U1.GPIO34 U1.GPIO35 U1.GPIO36 U1.GPIO39 U1.RXD0 U1.RXD2 U1.TXD0 U1.TXD2 U2.+Vin U5.11 U5.12 U5.13 U5.14

## Polygon pours and split planes (outlines as drawn)
GND on Top Layer "GND_L01_P001" (solid, remove dead copper, pour order 1): 1025,4475 1025,1025 5975,1025 5975,4475
GND on Bottom Layer "GND_L02_P000" (solid, remove dead copper, pour order 0): 1025,4475 1025,1025 5975,1025 5975,4475

## Silkscreen, mask and mechanical layers (free items; w line width, h text height)
Board Outline:
  the board outline again, w0

## Text inside footprints (layer, text, board x,y; h text height)
BT1: Top Overlay "+" at 2730.51,3717.28 h45.28